# Altium PCB spd150.PcbDoc (part 2 of 15)
Units mil, origin at the board's own origin, x right, y up, seen from the top; angles counter-clockwise.
Board outline 8557 x 5807 mil, 10 copper layers (TOP, LYR2-PLN, LYR3-SIG, LYR4-SIG, LYR5-PLN, LYR6-PLN, LYR7-SIG, LYR8-SIG, LYR9-PLN, BOTTOM), stack 84 mil thick; 1065 components, 972 nets, 4226 pads, 2810 vias.
Unrouted connection lines stored in the file: 16.
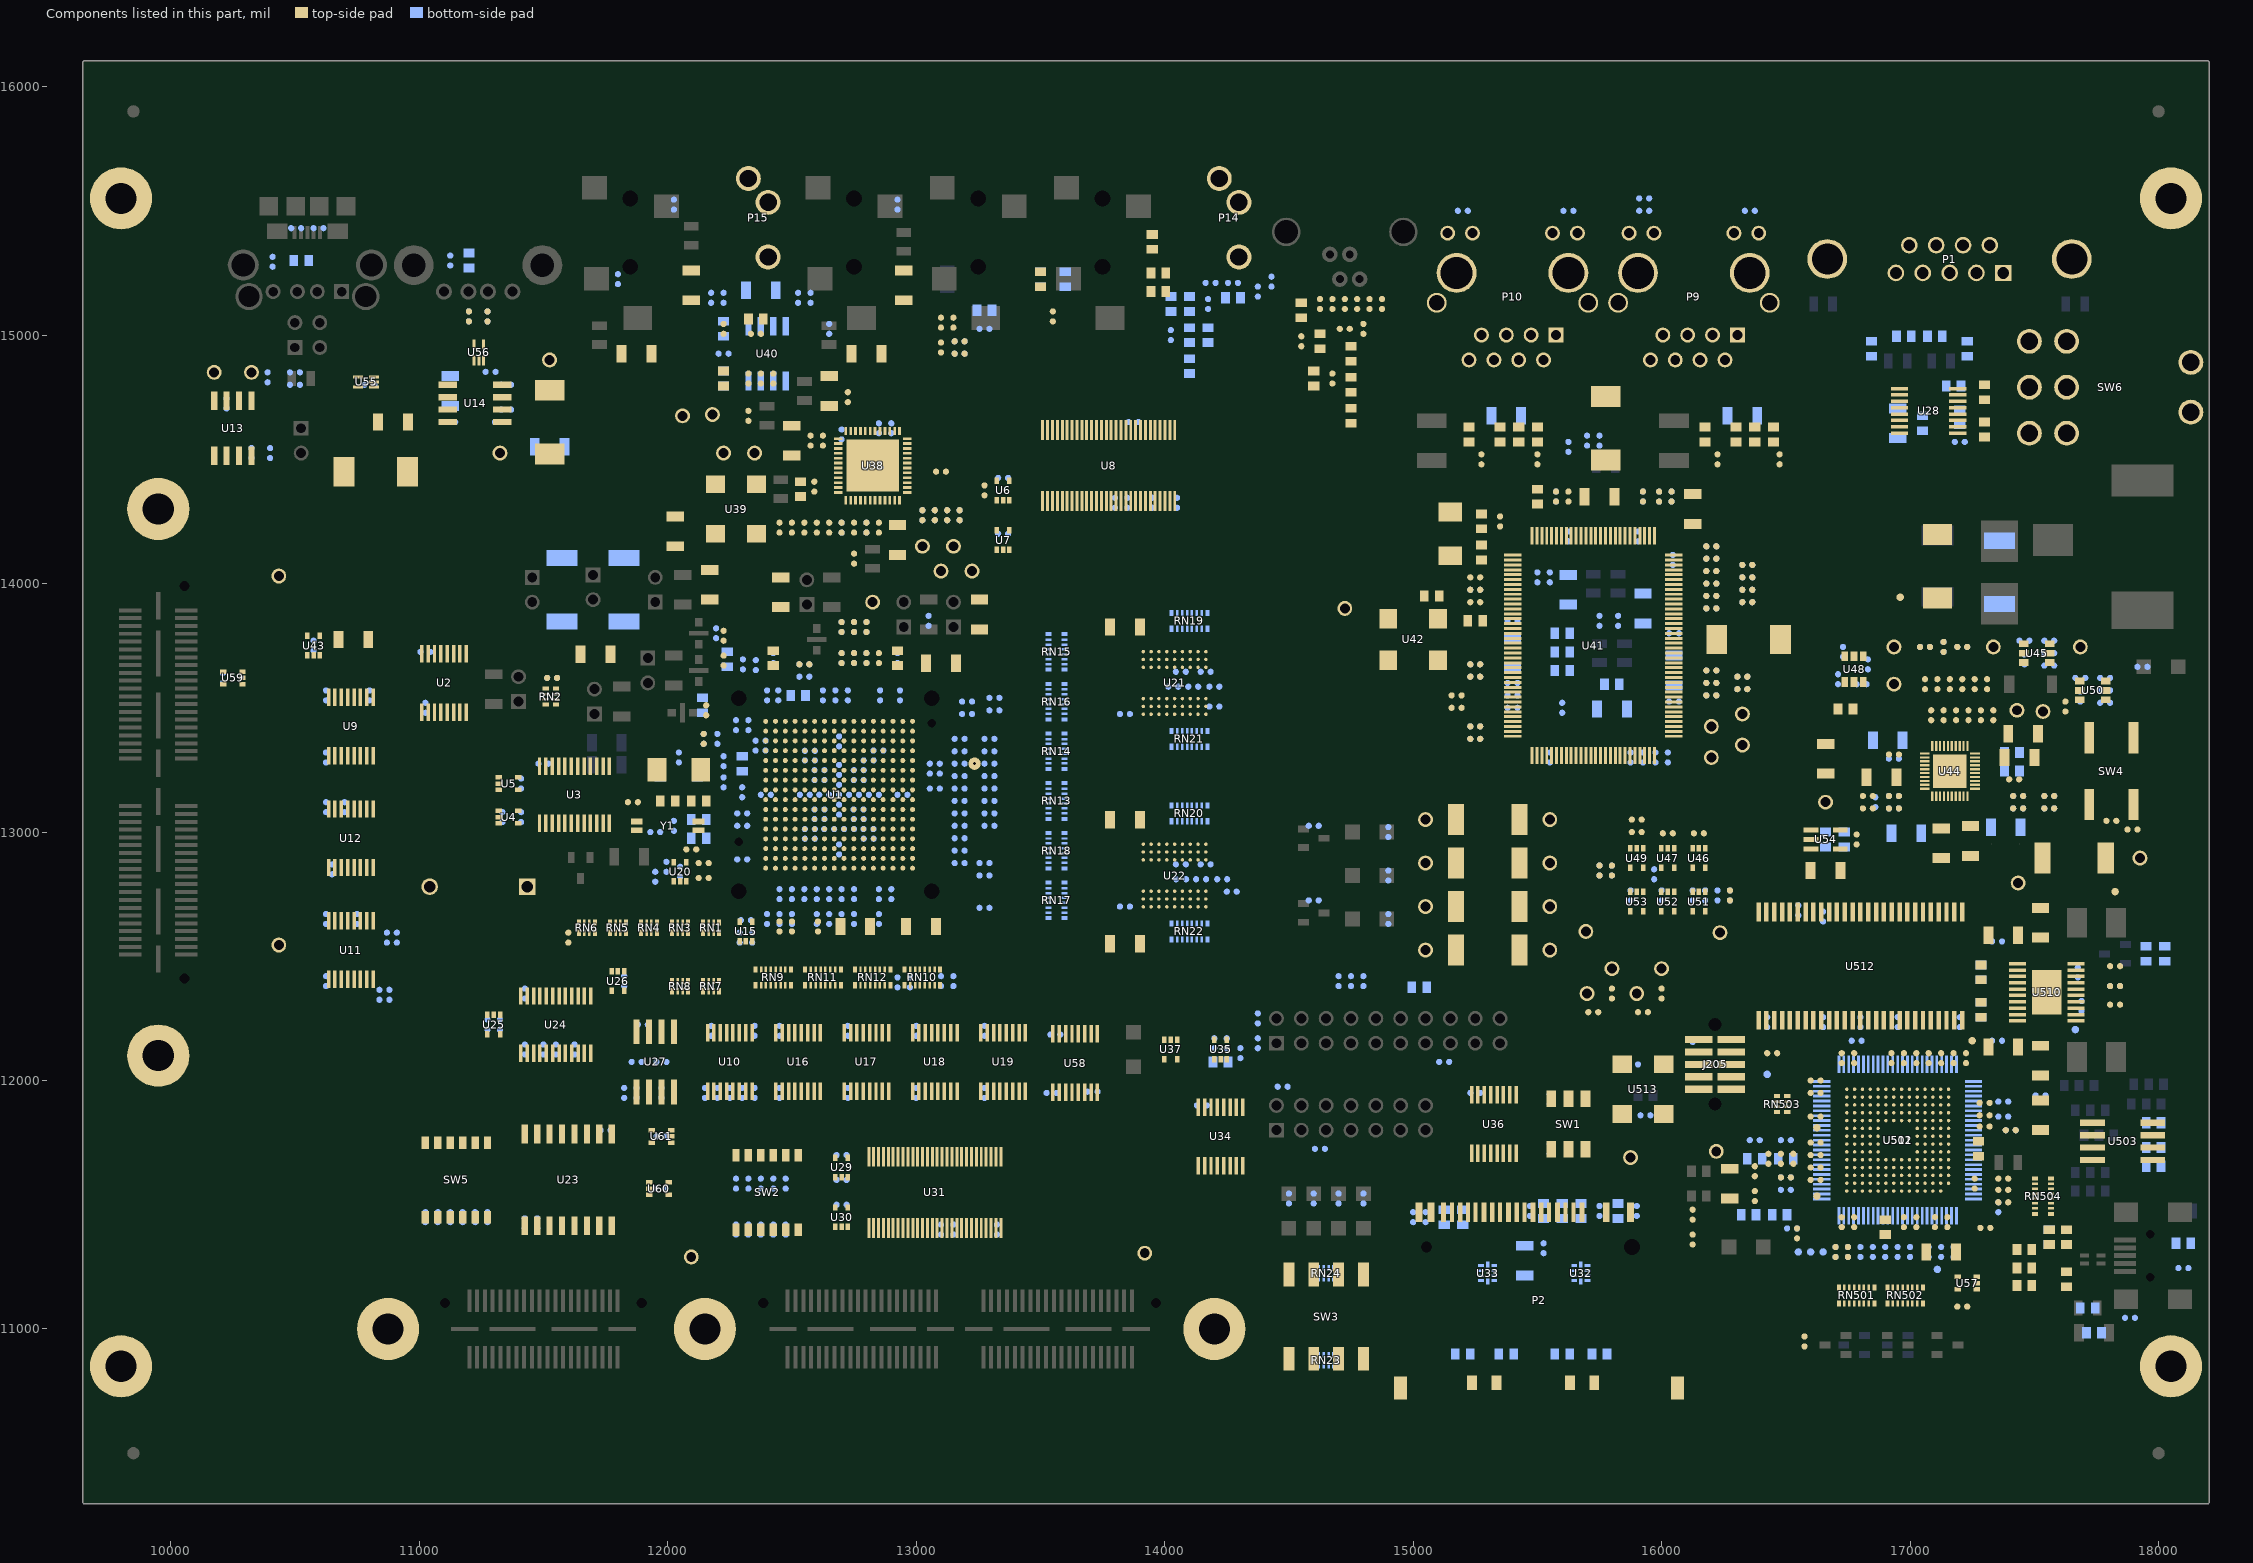
[diagram p10: the components of this part, seen from the top]

## Components (designator, comment, footprint, x,y, rotation, side; value= is the part's Value field where it differs from the comment) (continued)
R307 "RESISTOR_R603-35X45_49.9" R603-35X45#10 16175,14600 r90 top
R308 "RESISTOR_R603-35X45_49.9" R603-35X45#15 15425,14600 r270 top
R309 "RESISTOR_R603-35X45_49.9" R603-35X45#15 15500,14600 r270 top
R310 "RESISTOR_R603-35X45_49.9" R603-35X45#10 15350,14600 r90 top
R311 "RESISTOR_R603-35X45_49.9" R603-35X45#10 15225,14600 r90 top
R312 "R_2_R2512_0.025" R2512#2 15300,12700 r180 top
R313 "R_2_R2512_0.025" R2512#2 17660,12895 r0 top
R314 "R_0_R402-25_NO-POP" R402-25#1 16935,13312 r0 top
R315 "R_0_R402-25_1K" R402-25#2 16935,13295 r0 bottom
R316 "R_2_R2512_0.025" R2512#2 15300,12525 r180 top
R317 "R_0_R402-25_0" R402-25#1 16935,13145 r0 top
R318 "R_2_R2512_0.025" R2512#2 15300,12875 r0 top
R319 "R_0_R402-25_1K" R402-25#1 16935,13095 r0 top
R320 "R_0_R402-25_NO-POP" R402-25#1 16830,13145 r0 top
R321 "R_0_R402-25_NO-POP" R402-25#1 16830,13095 r0 top
R322 "R_0_R402-25_NO-POP" R402-25#67 16860,13120 r270 bottom
R323 "R_2_R2512_0.025" R2512#2 15300,13050 r0 top
R324 "R_0_R402-25_NO-POP" R402-25#2 16935,13095 r0 bottom
R325 "R_0_R402-25_10K" R402-25#68 17085,13470 r270 top
R326 "R_0_R402-25_10K" R402-25#69 17060,13595 r270 top
R327 "R_0_R402-25_2K" R402-25#69 17260,13595 r270 top
R328 "R_0_R402-25_47K" R402-25#69 17210,13595 r270 top
R329 "R_0_R402-25_10K" R402-25#69 17160,13595 r270 top
R330 "R_0_R402-25_NO-POP" R402-25#1 17335,13470 r90 top
R331 "R_0_R402-25_10K" R402-25#70 17560,13145 r180 top
R332 "R_0_R402-25_10K" R402-25#70 17560,13095 r180 top
R333 "R_R402-25_0" R402-25#1 15175,13550 r0 top
R334 "R_R402-25_NO-POP" R402-25#1 17625,13505 r90 top
R335 "R_R402-25_10K" R402-25#71 15900,13050 r180 top
R336 "R_0_R402-25_NO-POP" R402-25#72 17560,13145 r180 bottom
R337 "R_0_R402-25_NO-POP" R402-25#72 17560,13095 r180 bottom
R338 "R_0_R402-25_10K" R402-25#69 17310,13595 r270 top
R339 "R_0_R402-25_NO-POP" R402-25#73 17435,13095 r180 top
R340 "R_0_R402-25_NO-POP" R402-25#73 17435,13145 r180 top
R341 "R_0_R402-25_1K" R402-25#74 17435,13095 r180 bottom
R342 "R_0_R402-25_NO-POP" R402-25#1 17285,13470 r90 top
R343 "R_R402-25_0" R402-25#1 17419,13212 r0 top
R344 "R_0_R402-25_0" R402-25#74 17435,13145 r180 bottom
R345 "R_2_R402-25_33" R402-25#75 17810,13045 r180 top
R346 "R_2_R402-25_10K" R402-25#76 17460,13770 r180 bottom
R347 "R_R402-25_0" R402-25#72 17560,13770 r180 bottom
R348 "R_2_R402-25_10K 1%" R402-25#72 17560,13720 r180 bottom
R349 "R_2_R402-25_10K" R402-25#2 16830,13675 r90 bottom
R350 "R_R603-35X45_4.99K" R603-35X45#10 16740,13495 r0 top
R351 "R_2_R402-25_10K 1%" R402-25#2 16730,13725 r90 bottom
R352 "R_1_R402-25_33" R402-25#77 15800,12845 r270 top
R353 "R_2_R402-25_10K" R402-25#78 17685,13620 r180 bottom
R354 "R_1_R402-25_33" R402-25#2 15800,12845 r90 bottom
R355 "R_R402-25_20K" R402-25#79 17785,13620 r180 bottom
R356 "R_2_R402-25_10K 1%" R402-25#79 17785,13570 r180 bottom
R357 "R_1_R402-25_33" R402-25#77 15750,12845 r270 top
R358 "R_1_R402-25_33" R402-25#2 15750,12845 r90 bottom
R359 "R_R402-25_NO-POP" R402-25#80 17060,13745 r180 bottom
R360 "R_R402-25_NO-POP" R402-25#81 17210,13745 r180 top
R361 "R_R402-25_NO-POP" R402-25#82 17135,13745 r270 top
R362 "R_R402-25_NO-POP" R402-25#2 17210,13745 r0 bottom
R363 "R_2_R402-25_2.2K" R402-25#2 16225,12745 r90 bottom
R364 "R_R402-25_NO-POP" R402-25#2 17135,13745 r90 bottom
R365 "R_R402-25_NO-POP" R402-25#1 17060,13745 r0 top
R366 "R_2_R2512_NO-POP" R2512#1 17360,14045 r90 bottom
R367 "R_0_R402-25_360" R402-25#2 14900,13000 r90 bottom
R368 "R_R402-25_220" R402-25#2 17935,13665 r0 bottom
R369 "R_0_R402-25_1K" R402-25#2 14600,13025 r0 bottom
R370 "R_0_R402-25_360" R402-25#2 14900,12825 r90 bottom
R371 "R_0_R402-25_1K" R402-25#2 14600,12725 r0 bottom
R372 "R_R603-35X45_15K 1%" R603-35X45#3 16735,12970 r90 bottom
R373 "R_R603-35X45_220K 1%" R603-35X45#16 16660,12970 r270 bottom
R374 "R_R402-25_220" R402-25#7 14900,12650 r270 bottom
R375 "R_R402-25_24.9 1%" R402-25#1 11200,15075 r90 top
R376 "R_R402-25_100" R402-25#2 11025,11450 r90 bottom
R377 "R_R402-25_100" R402-25#2 11075,11450 r90 bottom
R378 "R_R402-25_100" R402-25#2 11125,11450 r90 bottom
R379 "R_R402-25_100" R402-25#2 11175,11450 r90 bottom
R380 "R_R402-25_0" R402-25#83 16000,12350 r270 top
R381 "R_R402-25_0" R402-25#1 15725,12275 r0 top
R382 "R_R402-25_0" R402-25#1 15925,12275 r0 top
R383 "R_R402-25_0" R402-25#83 15800,12350 r270 top
R384 "R_R402-25_2K" R402-25#10 13545,11950 r180 bottom
R385 "R_R402-25_100" R402-25#2 11225,11450 r90 bottom
R386 "R_R402-25_100" R402-25#2 11275,11450 r90 bottom
R387 "R_R402-25_10K" R402-25#84 17895,13010 r180 top
R388 "R_R402-25_0" R402-25#71 15900,13000 r180 top
R389 "R_R402-25_0" R402-25#1 15175,13500 r0 top
R390 "R_R402-25_0" R402-25#85 14430,15215 r270 bottom
R391 "R_R603-35X45_1M" R603-35X45#17 10525,15300 r180 bottom
R392 "R_R603-35X45_1M" R603-35X45#18 11200,15300 r270 bottom
R393 "R_R402-25_15K" R402-25#86 11200,15075 r270 bottom
R394 "R_R402-25_NO-POP" R402-25#2 12445,13550 r90 bottom
R395 "R_R402-25_NO-POP" R402-25#2 12400,13550 r90 bottom
R396 "R_R402-25_NO-POP" R402-25#87 11950,12820 r270 bottom
R504 "R_R603-35X45_24 1%" R603-35X45#19 17560,11370 r270 top
R508 "R_R603-35X45_24 1%" R603-35X45#10 17460,11245 r0 top
R511 "R_2_R402-25_220" R402-25#2 16500,11560 r0 bottom
R514 "R_R402-25_10K" R402-25#2 16125,12135 r90 bottom
R525 "R_R603-35X45_NO-POP" R603-35X45#3 16500,11685 r0 bottom
R527 "R_R603-35X45_33.2K 1%" R603-35X45#20 17285,12435 r270 top
R528 "R_R603-35X45_30.1K 1%" R603-35X45#21 17285,12435 r270 bottom
R534 "R_R603-35X45_300K" R603-35X45#22 17715,11085 r180 bottom
R535 "R_R603-35X45_680K" R603-35X45#3 17740,10985 r0 bottom
R536 "R_R603-35X45_1M" R603-35X45#23 17630,11200 r270 top
R537 "R_R603-35X45_1M" R603-35X45#10 17630,11370 r90 top
R538 "R_R603-35X45_1.5K 1%" R603-35X45#10 17460,11320 r0 top
R539 "R_R603-35X45_1M" R603-35X45#3 18100,11345 r0 bottom
R543 "R_R603-35X45_100" R603-35X45#24 16900,11410 r270 top
R545 "R_2_R402-25_100K" R402-25#1 16480,11685 r90 top
R548 "R_R603-35X45_9.09K 1%" R603-35X45#10 17285,12285 r90 top
R549 "R_R603-35X45_30.1K 1%" R603-35X45#3 17285,12285 r90 bottom
R550 "R_R402-25_100K" R402-25#2 17825,12380 r0 bottom
R551 "R_R402-25_100K" R402-25#88 17690,12300 r270 bottom
R552 "R_R402-25_2.2K" R402-25#89 16285,12165 r180 bottom
R553 "R_3_R402-25_10K" R402-25#2 17675,12435 r90 bottom
R554 "R_4_R603-35X45_1.5K 1%" R603-35X45#25 18025,12510 r270 bottom
R555 "R_4_R603-35X45_2.0K 1%" R603-35X45#3 17950,12510 r90 bottom
R557 "R_R402-25_100K" R402-25#90 17825,12380 r180 top
R590 "R_3_R402-25_10" R402-25#1 16375,11535 r90 top
R591 "R_R402-25_33" R402-25#27 17175,12090 r270 top
R592 "R_R402-25_33" R402-25#27 17125,12090 r270 top
R593 "R_R402-25_33" R402-25#27 17075,12090 r270 top
R594 "R_R402-25_33" R402-25#27 17225,12090 r270 top
R595 "R_R402-25_33" R402-25#1 17405,11800 r0 top
R597 "R_R402-25_100K" R402-25#2 16525,11405 r0 bottom
R598 "R_R402-25_100K" R402-25#91 16545,11385 r270 top
R599 "R_R402-25_10K" R402-25#2 16375,11760 r0 bottom
R600 "R_R402-25_100K" R402-25#92 16700,11310 r270 top
R601 "R_R402-25_100K" R402-25#2 16750,11310 r90 bottom
R602 "R_R402-25_100K" R402-25#2 17175,11310 r90 bottom
R603 "R_R402-25_10K" R402-25#2 17125,11310 r90 bottom
R604 "R_R402-25_33" R402-25#2 17000,11310 r90 bottom
R605 "R_R402-25_33" R402-25#2 16800,11310 r90 bottom
R606 "R_R402-25_33" R402-25#2 16850,11310 r90 bottom
R607 "R_R402-25_33" R402-25#2 16950,11310 r90 bottom
R608 "R_R402-25_33" R402-25#2 16900,11310 r90 bottom
R609 "R_R402-25_33" R402-25#2 16700,11310 r90 bottom
R610 "R_R402-25_33" R402-25#92 16750,11310 r270 top
R611 "R_2_R603-35X45_100" R603-35X45#3 16475,11460 r0 bottom
R612 "R_R402-25_10K" R402-25#2 17355,11490 r90 bottom
R613 "R_R402-25_10K" R402-25#93 16950,12235 r270 bottom
R614 "RESISTOR_1_R402-25_10K" R402-25#94 16785,12160 r180 bottom
R615 "RESISTOR_1_R402-25_10K" R402-25#2 17375,11915 r0 bottom
R616 "RESISTOR_1_R402-25_10K" R402-25#2 17375,11855 r0 bottom
R617 "R_R402-25_33" R402-25#2 15885,12065 r0 bottom
R618 "R_R603-35X45_100" R603-35X45#26 17275,11725 r270 top
R619 "R_R402-25_33" R402-25#95 16500,11610 r180 top
R620 "R_R402-25_33" R402-25#2 16500,11610 r0 bottom
R621 "R_R402-25_10K" R402-25#2 13295,13225 r0 bottom
R622 "R_R402-25_10K" R402-25#2 13295,13275 r0 bottom
R623 "R_R402-25_10K" R402-25#2 13295,13175 r0 bottom
R624 "R_R402-25_10K" R402-25#2 13295,13025 r0 bottom
R625 "R_R402-25_10K" R402-25#2 13315,13540 r0 bottom
R626 "R_R402-25_10K" R402-25#2 13295,13125 r0 bottom
R627 "R_R402-25_10K" R402-25#2 13295,13325 r0 bottom
R628 "R_R402-25_10K" R402-25#2 13295,13375 r0 bottom
R629 "R_R402-25_10K" R402-25#2 13315,13490 r0 bottom
R630 "R_R402-25_10K" R402-25#2 13295,13075 r0 bottom
RN1 "R-PAK4_0_RPAK8-10X25-28V_RPACK4" RPAK8-10X25-28V#1 12175.3,12615 r180 top
RN2 "R-PAK4_0_RPAK8-10X25-28V_RPACK4" RPAK8-10X25-28V#1 11530,13544.7 r90 top
RN3 "R-PAK4_0_RPAK8-10X25-28V_RPACK4" RPAK8-10X25-28V#1 12050.3,12615 r180 top
RN4 "R-PAK4_0_RPAK8-10X25-28V_RPACK4" RPAK8-10X25-28V#1 11925.3,12615 r180 top
RN5 "R-PAK4_0_RPAK8-10X25-28V_RPACK4" RPAK8-10X25-28V#1 11800.3,12615 r180 top
RN6 "R-PAK4_0_RPAK8-10X25-28V_RPACK4" RPAK8-10X25-28V#1 11675.3,12615 r180 top
RN7 "R-PAK4_0_RPAK8-10X25-28V_RPACK4" RPAK8-10X25-28V#1 12175.3,12380 r180 top
RN8 "R-PAK4_0_RPAK8-10X25-28V_RPACK4" RPAK8-10X25-28V#1 12050.3,12380 r180 top
RN9 "RESISTOR DIP 8_0_RPAK16-10X25-2" RPAK16-10X25-2HV#1 12422.5,12415 r180 top
RN10 "RESISTOR DIP 8_0_RPAK16-10X25-2" RPAK16-10X25-2HV#1 13027.5,12415 r0 top
RN11 "RESISTOR DIP 8_0_RPAK16-10X25-2" RPAK16-10X25-2HV#1 12622.5,12415 r180 top
RN12 "RESISTOR DIP 8_0_RPAK16-10X25-2" RPAK16-10X25-2HV#1 12827.5,12415 r0 top
RN13 "RESISTOR DIP 8_0_RPAK16-10X25_1" RPAK16-10X25-2HV#2 13565.1,13122.5 r90 bottom
RN14 "RESISTOR DIP 8_0_RPAK16-10X25-2" RPAK16-10X25-2HV#2 13565.1,13322.5 r90 bottom
RN15 "RESISTOR DIP 8_0_RPAK16-10X25_1" RPAK16-10X25-2HV#2 13565.1,13722.5 r90 bottom
RN16 "RESISTOR DIP 8_0_RPAK16-10X25-2" RPAK16-10X25-2HV#2 13565.1,13522.5 r90 bottom
RN17 "RESISTOR DIP 8_0_RPAK16-10X25_1" RPAK16-10X25-2HV#2 13565.1,12722.5 r90 bottom
RN18 "RESISTOR DIP 8_0_RPAK16-10X25_1" RPAK16-10X25-2HV#2 13565.1,12922.5 r90 bottom
RN19 "RESISTOR DIP 8_0_RPAK16-10X25_1" RPAK16-10X25-2HV#2 14097.5,13850 r0 bottom
RN20 "RESISTOR DIP 8_0_RPAK16-10X25_1" RPAK16-10X25-2HV#2 14097.5,13075 r0 bottom
RN21 "RESISTOR DIP 8_0_RPAK16-10X25_1" RPAK16-10X25-2HV#2 14102.5,13375 r180 bottom
RN22 "RESISTOR DIP 8_0_RPAK16-10X25_1" RPAK16-10X25-2HV#2 14102.5,12600 r180 bottom
RN23 "R-PAK4_RPAK8-10X25-28V_RPACK4-1" RPAK8-10X25-28V#2 14649.7,10875 r180 bottom
RN24 "R-PAK4_RPAK8-10X25-28V_RPACK4_1" RPAK8-10X25-28V#2 14650.3,11225 r0 bottom
RN501 "RN8_RPAK16-10X25-2HV_RN10K" RPAK16-10X25-2HV#1 16787.5,11135 r0 top
RN502 "RN8_RPAK16-10X25-2HV_RN10K" RPAK16-10X25-2HV#1 16982.5,11135 r0 top
RN503 "RESISTOR DIP 4_RPAK8-10X25-28V_" RPAK8-10X25-28V#1 16485,11905.3 r270 top
RN504 "RN8_RPAK16-10X25-2HV_10K" RPAK16-10X25-2HV#1 17535,11537.5 r90 top
SW1 "SW - DPDT 5.4X4.2 SLIDE CAS220A" SW6-40X67_GW 15625,11825 r0 top
SW2 "DIP_SWITCH_0_SW6-30X50-TDA_DIP_" SW6-30X50-TDA 12400,11550 r0 top
SW3 "SW DIP-4_0_SW4-44X96-CTS_LOW PR" SW4-44X96-CTS 14650,11050 r0 top
SW4 "EVQ-PLMA15_2_SW-40X126-EVQP1_PU" SW-40X126-EVQP1 17810,13245 r0 top
SW5 "DIP_SWITCH_0_SW6-30X50-TDA_DIP_" SW6-30X50-TDA 11150,11600 r0 top
SW6 "SWITCH_1_SW-7201-DPDT-10073_SWI" SW-7201-DPDT-10073 18062.5,14790 r270 top
TP1 "TEST POINT_1_TP1-6040_VBUS" TP1-6040 10175,14850 r0 top
TP2 "TEST POINT_1_TP1-6040_VBUS_OCN2" TP1-6040 10325,14850 r0 top
TP3 "TEST POINT_1_TP1-50X25_EMIFB_CL" TP1-50X25 13235,13275 r0 top
TP4 "TEST POINT_1_TP1-6040_VBUS" TP1-6040 11525,14900 r0 top
TP5 "TEST POINT_1_TP1-6040_VBUS_OCN1" TP1-6040 11325,14525 r0 top
TP6 "TEST POINT_TP1-6040_TEST POINT" TP1-6040 12825,13925 r0 top
TP7 "TEST POINT_TP1-6040_TEST POINT" TP1-6040 12350,14525 r0 top
TP8 "TEST POINT_TP1-6040_TEST POINT" TP1-6040 12225,14525 r0 top
TP9 "TEST POINT_TP1-6040_TEST POINT" TP1-6040 13025,14150 r0 top
TP10 "TEST POINT_TP1-6040_TEST POINT" TP1-6040 13100,14050 r0 top
TP11 "TEST POINT_TP1-6040_TEST POINT" TP1-6040 13150,14150 r0 top
TP12 "TEST POINT_TP1-6040_TEST POINT" TP1-6040 13225,14050 r0 top
TP13 "TEST POINT_TP1-6040_TEST POINT" TP1-6040 16200,13300 r0 top
TP14 "TEST POINT_TP1-6040_TEST POINT" TP1-6040 16325,13350 r0 top
TP15 "TEST POINT_TP1-6040_TEST POINT" TP1-6040 16200,13425 r0 top
TP16 "TEST POINT_TP1-6040_TEST POINT" TP1-6040 16325,13475 r0 top
TP17 "TEST POINT_0_TP1-6040_TP-60" TP1-6040 15550,12700 r0 top
TP18 "TEST POINT_0_TP1-6040_TP-60" TP1-6040 15050,12700 r0 top
TP19 "TEST POINT_0_TP1-6040_TP-60" TP1-6040 17435,12795 r0 top
TP20 "TEST POINT_0_TP1-6040_TP-60" TP1-6040 17925,12895 r0 top
TP21 "TEST POINT_0_TP1-6040_TP-60" TP1-6040 15550,12525 r0 top
TP22 "TEST POINT_0_TP1-6040_TP-60" TP1-6040 15050,12525 r0 top
TP23 "TEST POINT_0_TP1-6040_TP-60" TP1-6040 15050,12875 r90 top
TP24 "TEST POINT_0_TP1-6040_TP-60" TP1-6040 15550,12875 r90 top
TP25 "TEST POINT_0_TP1-6040_TP-60" TP1-6040 15050,13050 r0 top
TP26 "TEST POINT_0_TP1-6040_TP-60" TP1-6040 15550,13050 r0 top
TP27 "TEST POINT_0_TP1-6040_TP-60" TP1-6040 16935,13595 r0 top
TP28 "TEST POINT_0_TP1-6040_TP" TP1-6040 17430,13490 r0 top
TP29 "TEST POINT_0_TP1-6040_TP" TP1-6040 17535,13485 r0 top
TP30 "TESTPOINT1_TP1-6040_TESTPOINT1" TP1-6040 17335,13745 r270 top
TP31 "TESTPOINT1_TP1-6040_TESTPOINT1" TP1-6040 16935,13745 r180 top
TP32 "TESTPOINT1_TP1-6040_TESTPOINT1" TP1-6040 17685,13745 r270 top
TP33 "TEST POINT_0_TP30_TP-30" TP30 16960,13945 r0 top
TP34 "TEST POINT_1_TP1-6040_TP" TP1-6040 16660,13120 r270 top
TP35 "TEST POINT_TP1-6040_TP" TP1-6040 15800,12450 r0 top
TP36 "TEST POINT_TP1-6040_TP" TP1-6040 15900,12350 r0 top
TP37 "TEST POINT_TP1-6040_TP" TP1-6040 15700,12350 r0 top
TP38 "TEST POINT_TP1-6040_TP" TP1-6040 16000,12450 r0 top
TP39 "TEST POINT_TP1-6040_TEST POINT" TP1-6040 12060,14675 r0 top
TP40 "TEST POINT_TP1-6040_TEST POINT" TP1-6040 12180,14680 r0 top
TP41 "TEST POINT_TP1-6040_TP" TP1-6040 10435,14030 r0 top
TP42 "TEST POINT_TP1-6040_TP" TP1-6040 10435,12545 r0 top
TP43 "TEST POINT_TP1-6040_TP" TP1-6040 12095,11290 r0 top
TP44 "TEST POINT_TP1-6040_TP" TP1-6040 13920,11305 r0 top
TP45 "TEST POINT_TP1-6040_TP" TP1-6040 15875,11690 r0 top
TP46 "TEST POINT_TP1-6040_TP" TP1-6040 14725,13900 r0 top
TP47 "TP_0_TP1-6040_TP" TP1-6040 16235,12595 r0 top
TP48 "TP_0_TP1-6040_TP" TP1-6040 15695,12600 r0 top
TP507 "PIN_TP30_NO-POP" TP30 17110,11240 r180 bottom
TP508 "TP_0_TP30_NO-POP" TP30 17250,12160 r180 top
TP513 "TP_0_TP30_NO-POP" TP30 16425,12025 r270 bottom
TP514 "TP_0_TP30_NO-POP" TP30 16625,11810 r180 top
TP515 "TP_0_TP30_NO-POP" TP30 17825,12760 r180 top
TP516 "TP_0_TP30_NO-POP" TP30 17665,12205 r270 bottom
TP517 "PIN_TP1-6040_TEST" TP1-6040 16220,11715 r180 top
TP518 "PIN_TP30_NO-POP" TP30 16600,11310 r180 bottom
TP519 "PIN_TP30_NO-POP" TP30 16650,11310 r180 bottom
TP520 "PIN_TP30_NO-POP" TP30 16625,11535 r180 top
TP521 "PIN_TP30_NO-POP" TP30 16550,11310 r270 bottom
U1 "PRIMUS_BGA_1_SKT256-6064_OMAPL1" SKT256-6064 12675,13150 r0 top
U2 "SN74CBT3257PW_TSSOP16-14X70_SN7" TSSOP16-14X70 11100,13600 r0 top
U3 "SN74CBTD3384PW_PW24-14X70_SN74C" PW24-14X70 11625,13150 r0 top
U4 "1G32NEG_DCK-5_SN74LVC1G32DCKRG4" DCK-5 11360,13060 r270 top
U5 "1G00_0_DCK-5_SN74LVC1G00DCKRG4" DCK-5 11360,13195 r270 top
U6 "1G08_DCK-5_SN74LVC1G08DCKRG4" DCK-5 13350,14375 r0 top
U7 "1G02_0_DCK-5_SN74LVC1G02DCKR" DCK-5 13350,14175 r0 top
U8 "SN74CBT16212DGGR_DGG56-12X80_SN" DGG56-12X80 13775,14475 r0 top
U9 "SN74CBT3257PW_TSSOP16-14X70_SN7" TSSOP16-14X70 10725,13425 r0 top
U10 "SN74CBT3257PW_TSSOP16-14X70_SN7" TSSOP16-14X70 12250,12075 r0 top
U11 "SN74CBT3257PW_TSSOP16-14X70_SN7" TSSOP16-14X70 10725,12525 r0 top
U12 "74CBTLV253_0_TSSOP16-14X70_74CB" TSSOP16-14X70 10725,12975 r0 top
U13 "TPS2061_1_SO8-25X75_TPS2065D" SO8-25X75#1 10250,14625 r0 top
U14 "TPS2061_1_SO8-25X75_TPS2065D" SO8-25X75#1 11225,14725 r270 top
U15 "SN74LVC1G125_DCK-5_SN74CBTLV1G1" DCK-5 12315,12600 r0 top
U16 "SN74CBT3257PW_TSSOP16-14X70_SN7" TSSOP16-14X70 12525,12075 r0 top
U17 "SN74CBT3257PW_TSSOP16-14X70_SN7" TSSOP16-14X70 12800,12075 r0 top
U18 "SN74CBT3257PW_TSSOP16-14X70_SN7" TSSOP16-14X70 13075,12075 r0 top
U19 "74CBTLV253_0_TSSOP16-14X70_74CB" TSSOP16-14X70 13350,12075 r0 top
U20 "1G032_DCK-5_SN74LVC1G32" DCK-5 12050,12840 r0 top
U21 "IS42S16160B-6BL_0_BGA54-3X9-ISS" BGA54-3X9-ISSI 14040.1,13600 r270 top
U22 "IS42S16160B-6BL_0_BGA54-3X9-ISS" BGA54-3X9-ISSI 14040.1,12825 r270 top
U23 "SPI_EEPROM_0_SO16-25X75-300_W25" SO16-25X75-300 11600,11600 r0 top
U24 "SN74CBTD3384PW_PW24-14X70_SN74C" PW24-14X70 11550,12225 r0 top
U25 "1G32NEG_DCK-5_SN74LVC1G32DCKRG4" DCK-5 11300,12225 r180 top
U26 "1G00_0_DCK-5_SN74LVC1G00DCKRG4" DCK-5 11800,12400 r180 top
U27 "24WC256_SO8-25X75-295_24WC256" SO8-25X75-295 11950,12075 r0 top
U28 "MAX3221_0_PW16-14X70_MAX3221CPW" PW16-14X70 17075,14695 r90 top
U29 "1G08_DCK-5_1G08" DCK-5 12700,11650 r0 top
U30 "1G02_0_DCK-5_1G02" DCK-5 12700,11450 r0 top
U31 "SN74CBT16212DGGR_DGG56-12X80_SN" DGG56-12X80 13075,11550 r0 top
U32 "TPDE0001RSE_RSE10_TPD6E001RSE" RSE10 15674.5,11225.5 r90 bottom
U33 "TPDE0001RSE_RSE10_TPD6E001RSE" RSE10 15299.5,11225.5 r90 bottom
U34 "SN74CBT3257_0_TSSOP16-14X70_SN7" TSSOP16-14X70 14225,11775 r0 top
U35 "1G032_0_DCK-5_SN74LVC1G32" DCK-5 14225,12125 r0 top
U36 "SN74CBT3257_0_TSSOP16-14X70_SN7" TSSOP16-14X70 15325,11825 r0 top
U37 "SN74LVC1GU04_0_DCK-5_SN74AHC1G1" DCK-5 14025,12125 r180 top
U38 "TLV320AIC3106_0_RGZ48-11X34_TVL" RGZ48-11X34 12825,14475 r90 top
U39 "OSC4/SM_0_XTAL4-70X78-CTX_24.57" XTAL4-70X78-CTX 12275,14300 r270 top
U40 "TPA4861D_SO8-25X75_TPA4861D" SO8-25X75#2 12400,14925 r0 bottom
U41 "KS8995_MULTI_0_PQFP128REC-12X70" PQFP128REC-12X70 15725,13747.5 r90 top
U42 "OSC_0_OSC4-71X79_50.000 MHZ" OSC4-71X79 15000,13775 r0 top
U43 "SN74LVC1G125_DCK-5_SN74CBTLV1G1" DCK-5 10575,13750 r0 top
U44 "TPS65023_0_RSB40-9X39_TPS65023" RSB40-9X39 17160,13245 r0 top
U45 "TPS3808G09DBVR_0_DBV6-27X39-6_T" DBV6-27X39-6#1 17510,13720 r270 top
U46 "1G08_DCK-5_1G08" DCK-5 16150,12895 r180 top
U47 "1G08_DCK-5_1G08" DCK-5 16025,12895 r180 top
U48 "TPS3808G09DBVR_0_DBV6-27X39-6_T" DBV6-27X39-6#2 16774.6,13655.6 r180 top
U49 "1G08_DCK-5_1G08" DCK-5 15900,12895 r180 top
U50 "TPS3808G09DBVR_0_DBV6-27X39-6_T" DBV6-27X39-6#3 17735,13570 r270 top
U51 "SN74LVC1GU04_1_DCK-5_SN74AHC14D" DCK-5 16150,12720 r180 top
U52 "SN74LVC1GU04_1_DCK-5_SN74AHC14D" DCK-5 16025,12720 r180 top
U53 "SN74LVC1GU04_1_DCK-5_SN74AHC14D" DCK-5 15900,12720 r180 top
U54 "U-TPS79901 - 1.19 TO 6.5V 200MA" SOT23-20X60-5 16660,12970 r270 top
U55 "TPDE0001RSE_0_DRL5-12X40_TPD2E0" DRL5-12X40 10786.4,14811.6 r90 top
U56 "TPDE0001RSE_0_DRL5-12X40_TPD2E0" DRL5-12X40 11240,14930 r0 top
U57 "SN74LVC1GU04_0_DCK-5_SN74LVC1G0" DCK-5 17230,11185 r90 top
U58 "SN74CBT3257PW_TSSOP16-14X70_SN7" TSSOP16-14X70 13640,12070 r0 top
U59 "SN74LVC1G125_DCK-5_74CBTLV1G125" DCK-5 10250,13620 r90 top
U60 "SN74LVC1G125_DCK-5_SN74LVC1G125" DCK-5 11965,11565 r270 top
U61 "1G08_DCK-5_1G08" DCK-5 11975,11775 r90 top
U502 "TMS320VC5409GHH_2_BGA179-13P8RD" BGA179-13P8RD 16950,11760 r180 top
U503 "24WC256_0_SO8-25X75-295_24WC256" SO8-25X75-295 17855,11755 r90 top
U510 "TPS70202PWP_0_PWP20-14X70-PAD_T" PWP20-14X70-PAD 17550,12354.5 r90 top
U511 "ACT54SXVQ100_0_TQFP-100_506173-" TQFP-100 16950,11760 r180 bottom
U512 "MT48LC1M16A1TGS_0_TSOP54-MICRON" TSOP54-MICRON-18X75 16800,12460 r0 top
U513 "CLK-4PIN_0_OSC4-71X79_24 MHZ" OSC4-71X79 15925,11965 r90 top
Y1 "CRYSTAL_0_XTAL4-23X47-SSP-T7_32" XTAL4-23X47-SSP-T7 12000,13025 r180 top
Y2 "CRYSTAL_0_XTAL2-75X94_24MHZ" XTAL2-75X94 12045,13250 r180 top
Y3 "CRYSTAL_0_XTAL2-75X94_NO-POP" XTAL2-75X94 15150,14200 r270 top
Z1 "TESTPOINT1_MHP125-250_TESTPOINT" MHP125-250 9950,12100 r0 top
Z2 "TESTPOINT1_MHP125-250_MNTHOLE" MHP125-250 14200,11000 r0 top
Z3 "TESTPOINT1_MHP125-250_MNTHOLE" MHP125-250 10875,11000 r0 top
Z4 "TESTPOINT1_MHP125-250_MNTHOLE" MHP125-250 9800,10850 r0 top
Z5 "TESTPOINT1_MHP125-250_MNTHOLE" MHP125-250 18050,10850 r0 top
Z7 "TESTPOINT1_MHP125-250_TESTPOINT" MHP125-250 9950,14300 r0 top
Z8 "TESTPOINT1_MHP125-250_MNTHOLE" MHP125-250 9800,15550 r0 top
Z9 "TESTPOINT1_MHP125-250_MNTHOLE" MHP125-250 18050,15550 r0 top
Z10 "TESTPOINT1_MHP125-250_MNTHOLE" MHP125-250 12150,11000 r0 top


## Text inside footprints (layer, text, board x,y; h text height)
U21: PIN_NUMBER "E2" at 14024.1,13694.5 h20 r270; PIN_NUMBER "A3" at 14150.1,13663 h20 r270; PIN_NUMBER "A1" at 14150.1,13726 h20 r270; PIN_NUMBER "E3" at 14024.1,13663 h20 r270; PIN_NUMBER "J1" at 13898.1,13726 h20 r270; PIN_NUMBER "B7" at 14118.6,13537 h20 r270; PIN_NUMBER "C3" at 14087.1,13663 h20 r270; PIN_NUMBER "D7" at 14055.6,13537 h20 r270; PIN_NUMBER "A8" at 14150.1,13505.5 h20 r270; PIN_NUMBER "B9" at 14118.6,13474 h20 r270; PIN_NUMBER "B8" at 14118.6,13505.5 h20 r270; PIN_NUMBER "C9" at 14087.1,13474 h20 r270; PIN_NUMBER "C8" at 14087.1,13505.5 h20 r270; PIN_NUMBER "D2" at 14055.6,13694.5 h20 r270; PIN_NUMBER "B1" at 14118.6,13726 h20 r270; PIN_NUMBER "A2" at 14150.1,13694.5 h20 r270; PIN_NUMBER "D9" at 14055.6,13474 h20 r270; PIN_NUMBER "E9" at 14024.1,13474 h20 r270; PIN_NUMBER "E1" at 14024.1,13726 h20 r270; PIN_NUMBER "D1" at 14055.6,13726 h20 r270; PIN_NUMBER "C2" at 14087.1,13694.5 h20 r270; PIN_NUMBER "C1" at 14087.1,13726 h20 r270; PIN_NUMBER "B2" at 14118.6,13694.5 h20 r270; PIN_NUMBER "D8" at 14055.6,13505.5 h20 r270; PIN_NUMBER "F7" at 13992.6,13537 h20 r270; PIN_NUMBER "G1" at 13961.1,13726 h20 r270; PIN_NUMBER "J2" at 13898.1,13694.5 h20 r270; PIN_NUMBER "J3" at 13898.1,13663 h20 r270; PIN_NUMBER "J7" at 13898.1,13537 h20 r270; PIN_NUMBER "F3" at 13992.6,13663 h20 r270; PIN_NUMBER "E8" at 14024.1,13505.5 h20 r270; PIN_NUMBER "J8" at 13898.1,13505.5 h20 r270; PIN_NUMBER "H7" at 13929.6,13537 h20 r270; PIN_NUMBER "H8" at 13929.6,13505.5 h20 r270; PIN_NUMBER "G9" at 13961.1,13474 h20 r270; PIN_NUMBER "G8" at 13961.1,13505.5 h20 r270; PIN_NUMBER "F9" at 13992.6,13474 h20 r270; PIN_NUMBER "F8" at 13992.6,13505.5 h20 r270; PIN_NUMBER "G7" at 13961.1,13537 h20 r270; PIN_NUMBER "F2" at 13992.6,13694.5 h20 r270; PIN_NUMBER "G2" at 13961.1,13694.5 h20 r270; PIN_NUMBER "H9" at 13929.6,13474 h20 r270; PIN_NUMBER "F1" at 13992.6,13726 h20 r270; PIN_NUMBER "G3" at 13961.1,13663 h20 r270; PIN_NUMBER "H1" at 13929.6,13726 h20 r270; PIN_NUMBER "H2" at 13929.6,13694.5 h20 r270; PIN_NUMBER "H3" at 13929.6,13663 h20 r270; PIN_NUMBER "A7" at 14150.1,13537 h20 r270; PIN_NUMBER "B3" at 14118.6,13663 h20 r270; PIN_NUMBER "D3" at 14055.6,13663 h20 r270; PIN_NUMBER "E7" at 14024.1,13537 h20 r270; PIN_NUMBER "C7" at 14087.1,13537 h20 r270; PIN_NUMBER "A9" at 14150.1,13474 h20 r270; PIN_NUMBER "J9" at 13898.1,13474 h20 r270
U22: PIN_NUMBER "E2" at 14024.1,12919.5 h20 r270; PIN_NUMBER "A1" at 14150.1,12951 h20 r270; PIN_NUMBER "J1" at 13898.1,12951 h20 r270; PIN_NUMBER "A3" at 14150.1,12888 h20 r270; PIN_NUMBER "B7" at 14118.6,12762 h20 r270; PIN_NUMBER "E3" at 14024.1,12888 h20 r270; PIN_NUMBER "C3" at 14087.1,12888 h20 r270; PIN_NUMBER "D7" at 14055.6,12762 h20 r270; PIN_NUMBER "E1" at 14024.1,12951 h20 r270; PIN_NUMBER "D1" at 14055.6,12951 h20 r270; PIN_NUMBER "C2" at 14087.1,12919.5 h20 r270; PIN_NUMBER "C1" at 14087.1,12951 h20 r270; PIN_NUMBER "B2" at 14118.6,12919.5 h20 r270; PIN_NUMBER "B1" at 14118.6,12951 h20 r270; PIN_NUMBER "A2" at 14150.1,12919.5 h20 r270; PIN_NUMBER "D2" at 14055.6,12919.5 h20 r270; PIN_NUMBER "C9" at 14087.1,12699 h20 r270; PIN_NUMBER "B9" at 14118.6,12699 h20 r270; PIN_NUMBER "A8" at 14150.1,12730.5 h20 r270; PIN_NUMBER "B8" at 14118.6,12730.5 h20 r270; PIN_NUMBER "E9" at 14024.1,12699 h20 r270; PIN_NUMBER "D9" at 14055.6,12699 h20 r270; PIN_NUMBER "D8" at 14055.6,12730.5 h20 r270; PIN_NUMBER "C8" at 14087.1,12730.5 h20 r270; PIN_NUMBER "F7" at 13992.6,12762 h20 r270; PIN_NUMBER "G1" at 13961.1,12951 h20 r270; PIN_NUMBER "E8" at 14024.1,12730.5 h20 r270; PIN_NUMBER "F1" at 13992.6,12951 h20 r270; PIN_NUMBER "J2" at 13898.1,12919.5 h20 r270; PIN_NUMBER "J3" at 13898.1,12888 h20 r270; PIN_NUMBER "J7" at 13898.1,12762 h20 r270; PIN_NUMBER "F3" at 13992.6,12888 h20 r270; PIN_NUMBER "J8" at 13898.1,12730.5 h20 r270; PIN_NUMBER "H7" at 13929.6,12762 h20 r270; PIN_NUMBER "H8" at 13929.6,12730.5 h20 r270; PIN_NUMBER "G9" at 13961.1,12699 h20 r270; PIN_NUMBER "G8" at 13961.1,12730.5 h20 r270; PIN_NUMBER "F9" at 13992.6,12699 h20 r270; PIN_NUMBER "F8" at 13992.6,12730.5 h20 r270; PIN_NUMBER "G7" at 13961.1,12762 h20 r270; PIN_NUMBER "F2" at 13992.6,12919.5 h20 r270; PIN_NUMBER "G2" at 13961.1,12919.5 h20 r270; PIN_NUMBER "H9" at 13929.6,12699 h20 r270; PIN_NUMBER "G3" at 13961.1,12888 h20 r270; PIN_NUMBER "H1" at 13929.6,12951 h20 r270; PIN_NUMBER "H2" at 13929.6,12919.5 h20 r270; PIN_NUMBER "H3" at 13929.6,12888 h20 r270; PIN_NUMBER "B3" at 14118.6,12888 h20 r270; PIN_NUMBER "A7" at 14150.1,12762 h20 r270; PIN_NUMBER "A9" at 14150.1,12699 h20 r270; PIN_NUMBER "J9" at 13898.1,12699 h20 r270; PIN_NUMBER "E7" at 14024.1,12762 h20 r270; PIN_NUMBER "C7" at 14087.1,12762 h20 r270; PIN_NUMBER "D3" at 14055.6,12888 h20 r270
U23: PIN_NUMBER "11" at 11669,11785 h20 r90; PIN_NUMBER "12" at 11619,11785 h20 r90; PIN_NUMBER "13" at 11569,11785 h20 r90; PIN_NUMBER "14" at 11519,11785 h20 r90; PIN_NUMBER "3" at 11517,11415 h20; PIN_NUMBER "4" at 11567,11415 h20; PIN_NUMBER "5" at 11617,11415 h20; PIN_NUMBER "6" at 11667,11415 h20; PIN_NUMBER "10" at 11719,11785 h20 r90; PIN_NUMBER "7" at 11717,11415 h20; PIN_NUMBER "15" at 11469,11785 h20 r90; PIN_NUMBER "8" at 11767,11415 h20; PIN_NUMBER "16" at 11419,11785 h20 r90; PIN_NUMBER "9" at 11767,11785 h20; PIN_NUMBER "1" at 11417,11415 h20; PIN_NUMBER "2" at 11467,11415 h20; ASSEMBLY_TOP "X" at 11555,11560 h35; ASSEMBLY_TOP "X" at 11515,11560 h35; ASSEMBLY_TOP "W25X32VSFIG" at 11475,11560 h35
U24: PIN_NUMBER "10" at 11631.6,12110 h10; PIN_NUMBER "12" at 11682.8,12110 h10; PIN_NUMBER "9" at 11610,12110 h10; PIN_NUMBER "15" at 11631.6,12340 h10; PIN_NUMBER "16" at 11606,12340 h10; PIN_NUMBER "6" at 11533.2,12110 h10; PIN_NUMBER "5" at 11507.6,12110 h10; PIN_NUMBER "2" at 11430.8,12110 h10; PIN_NUMBER "20" at 11503.6,12340 h10; PIN_NUMBER "23" at 11426.8,12340 h10; PIN_NUMBER "19" at 11529.2,12340 h10; PIN_NUMBER "13" at 11682.8,12340 h10; PIN_NUMBER "11" at 11657.2,12110 h10; PIN_NUMBER "14" at 11657.2,12340 h10; PIN_NUMBER "3" at 11456.4,12110 h10; PIN_NUMBER "22" at 11452.4,12340 h10; PIN_NUMBER "4" at 11482,12110 h10; PIN_NUMBER "21" at 11478,12340 h10; PIN_NUMBER "7" at 11558.8,12110 h10; PIN_NUMBER "18" at 11554.8,12340 h10; PIN_NUMBER "8" at 11584.4,12110 h10; PIN_NUMBER "17" at 11580.4,12340 h10; PIN_NUMBER "24" at 11401.2,12340 h10; PIN_NUMBER "1" at 11405.2,12110 h10; ASSEMBLY_TOP "SN74CBTLV3384PW" at 11515.8,12105 h40; ASSEMBLY_TOP "X" at 11540.8,12105 h40; ASSEMBLY_TOP "X" at 11562.8,12110 h40
U25: PIN_NUMBER "3" at 11258.4,12264 h40 r180; PIN_NUMBER "2" at 11284,12264 h40 r180; PIN_NUMBER "5" at 11309.6,12186 h40 r180; PIN_NUMBER "1" at 11309.6,12264 h40 r180; PIN_NUMBER "4" at 11258.4,12186 h40 r180; ASSEMBLY_TOP "PART#" at 11416.1,12345.9 h40.2 r180; ASSEMBLY_TOP "TOL" at 11355.9,12139.2 h40.2 r180; ASSEMBLY_TOP "SN74LVC1G32DCKRG4" at 11401.2,12184.1 h40.2 r180; SYMB_DIM "0" at 11215,12240 h29.9 r180; SYMB_DIM "0" at 11315,12115.2 h29.9 r180
U26: PIN_NUMBER "3" at 11758.4,12439 h40 r180; PIN_NUMBER "2" at 11784,12439 h40 r180; PIN_NUMBER "1" at 11809.6,12439 h40 r180; PIN_NUMBER "4" at 11758.4,12361 h40 r180; PIN_NUMBER "5" at 11809.6,12361 h40 r180; ASSEMBLY_TOP "PART#" at 11916.1,12520.9 h40.2 r180; ASSEMBLY_TOP "TOL" at 11855.9,12314.2 h40.2 r180; ASSEMBLY_TOP "SN74LVC1G00DCKRG4" at 11901.2,12359.1 h40.2 r180; SYMB_DIM "0" at 11715,12415 h29.9 r180; SYMB_DIM "0" at 11815,12290.2 h29.9 r180
U27: PIN_NUMBER "4" at 12009,11953.5 h40; PIN_NUMBER "7" at 11909,12196.5 h40; PIN_NUMBER "3" at 11959,11953.5 h40; PIN_NUMBER "2" at 11909,11953.5 h40; PIN_NUMBER "1" at 11859,11953.5 h40; PIN_NUMBER "5" at 12009,12196.5 h40; PIN_NUMBER "6" at 11959,12196.5 h40; PIN_NUMBER "8" at 11859,12196.5 h40; ASSEMBLY_TOP "24WC256" at 11825,12035 h40; ASSEMBLY_TOP "X" at 11865,12035 h40; ASSEMBLY_TOP "X" at 11905,12035 h40
U28: PIN_NUMBER "10" at 16941.4,14759 h20 r180; PIN_NUMBER "14" at 16941.4,14656.6 h20 r180; PIN_NUMBER "13" at 16941.4,14682.2 h20 r180; PIN_NUMBER "4" at 17184.6,14682.2 h20 r90; PIN_NUMBER "2" at 17184.6,14631 h20 r90; PIN_NUMBER "6" at 17184.6,14733.4 h20 r90; PIN_NUMBER "8" at 17184.6,14784.6 h20 r90; PIN_NUMBER "16" at 16941.4,14605.4 h20 r180; PIN_NUMBER "1" at 17184.6,14605.4 h20 r90; PIN_NUMBER "5" at 17184.6,14707.8 h20 r90; PIN_NUMBER "3" at 17184.6,14656.6 h20 r90; PIN_NUMBER "7" at 17184.6,14759 h20 r90; PIN_NUMBER "12" at 16941.4,14707.8 h20 r180; PIN_NUMBER "11" at 16941.4,14733.4 h20 r180; PIN_NUMBER "9" at 16949.4,14784.6 h20 r180; PIN_NUMBER "15" at 16941.4,14631 h20 r180; ASSEMBLY_TOP "X" at 17055,14732 h40 r90; ASSEMBLY_TOP "X" at 17055,14697 h40 r90; ASSEMBLY_TOP "MAX3221CPWRG4" at 17055,14662 h40 r90
U29: PIN_NUMBER "3" at 12709.6,11611 h40; PIN_NUMBER "1" at 12658.4,11611 h40; PIN_NUMBER "5" at 12658.4,11689 h40; PIN_NUMBER "4" at 12709.6,11689 h40; PIN_NUMBER "2" at 12684,11611 h40; ASSEMBLY_TOP "PART#" at 12583.9,11529.1 h40.2; ASSEMBLY_TOP "TOL" at 12644.1,11735.8 h40.2; ASSEMBLY_TOP "1G08" at 12598.8,11690.9 h40.2; SYMB_DIM "0" at 12785,11635 h29.9; SYMB_DIM "0" at 12685,11759.8 h29.9
U30: PIN_NUMBER "3" at 12709.6,11411 h40; PIN_NUMBER "5" at 12658.4,11489 h40; PIN_NUMBER "2" at 12684,11411 h40; PIN_NUMBER "1" at 12658.4,11411 h40; PIN_NUMBER "4" at 12709.6,11489 h40; ASSEMBLY_TOP "PART#" at 12583.9,11329.1 h40.2; ASSEMBLY_TOP "TOL" at 12644.1,11535.8 h40.2; ASSEMBLY_TOP "1g02" at 12598.8,11490.9 h40.2; SYMB_DIM "0" at 12785,11435 h29.9; SYMB_DIM "0" at 12685,11559.8 h29.9
U31: PIN_NUMBER "51" at 12900.7,11695 h15 r90; PIN_NUMBER "19" at 13158.6,11409 h15 r90; PIN_NUMBER "38" at 13156.6,11695 h15 r90; PIN_NUMBER "49" at 12940.1,11695 h15 r90; PIN_NUMBER "55" at 12822,11695 h15 r90; PIN_NUMBER "8" at 12948.1,11409 h15 r90; PIN_NUMBER "37" at 13176.2,11695 h15 r90; PIN_NUMBER "53" at 12861.4,11695 h15 r90; PIN_NUMBER "36" at 13195.9,11695 h15 r90; PIN_NUMBER "34" at 13235.3,11695 h15 r90; PIN_NUMBER "39" at 13136.9,11695 h15 r90; PIN_NUMBER "9" at 12967.8,11409 h15 r90; PIN_NUMBER "41" at 13097.5,11695 h15 r90; PIN_NUMBER "43" at 13058.2,11695 h15 r90; PIN_NUMBER "4" at 12869.4,11409 h15 r90; PIN_NUMBER "45" at 13018.8,11695 h15 r90; PIN_NUMBER "52" at 12881,11695 h15 r90; PIN_NUMBER "54" at 12841.7,11695 h15 r90; PIN_NUMBER "18" at 13138.9,11409 h15 r90; PIN_NUMBER "23" at 13237.3,11409 h15 r90; PIN_NUMBER "2" at 12830,11409 h15 r90; PIN_NUMBER "21" at 13197.9,11409 h15 r90; PIN_NUMBER "27" at 13316,11409 h15 r90; PIN_NUMBER "15" at 13079.8,11409 h15 r90; PIN_NUMBER "6" at 12908.7,11409 h15 r90; PIN_NUMBER "13" at 13040.5,11409 h15 r90; PIN_NUMBER "11" at 13001.1,11409 h15 r90; PIN_NUMBER "25" at 13276.6,11409 h15 r90; PIN_NUMBER "31" at 13294.3,11695 h15 r90; PIN_NUMBER "29" at 13335,11696 h15 r90; PIN_NUMBER "17" at 13119.2,11409 h15 r90; PIN_NUMBER "30" at 13314,11695 h15 r90; PIN_NUMBER "32" at 13274.6,11695 h15 r90; PIN_NUMBER "47" at 12979.4,11695 h15 r90; PIN_NUMBER "50" at 12920.4,11695 h15 r90; PIN_NUMBER "33" at 13255,11695 h15 r90; PIN_NUMBER "56" at 12803,11696 h15 r90; PIN_NUMBER "35" at 13215.6,11695 h15 r90; PIN_NUMBER "26" at 13296.3,11409 h15 r90; PIN_NUMBER "3" at 12849.7,11409 h15 r90; PIN_NUMBER "5" at 12889,11409 h15 r90; PIN_NUMBER "7" at 12928.4,11409 h15 r90; PIN_NUMBER "10" at 12981.4,11409 h15 r90; PIN_NUMBER "12" at 13020.8,11409 h15 r90; PIN_NUMBER "14" at 13060.2,11409 h15 r90; PIN_NUMBER "16" at 13099.5,11409 h15 r90; PIN_NUMBER "20" at 13178.2,11409 h15 r90; PIN_NUMBER "28" at 13335,11409 h15 r90; PIN_NUMBER "22" at 13217.6,11409 h15 r90; PIN_NUMBER "24" at 13257,11409 h15 r90; PIN_NUMBER "40" at 13117.2,11695 h15 r90; PIN_NUMBER "48" at 12959.8,11695 h15 r90; PIN_NUMBER "42" at 13077.8,11695 h15 r90; PIN_NUMBER "44" at 13038.5,11695 h15 r90; PIN_NUMBER "46" at 12999.1,11695 h15 r90; PIN_NUMBER "1" at 12809,11408 h15 r90; ASSEMBLY_TOP "X" at 13126,11592 h35; ASSEMBLY_TOP "X" at 13087,11593 h35; ASSEMBLY_TOP "SN74CBTLV16212DGGR" at 13004,11593 h35; SYMB_DIM "dgg56-12X80" at 12879.5,11776 h30
U32: PIN_NUMBER "6" at 15638,11188 h25 r90; PIN_NUMBER "4" at 15699,11187 h25 r90; PIN_NUMBER "9" at 15639,11249 h25 r90; PIN_NUMBER "5" at 15668,11182 h25 r90; PIN_NUMBER "3" at 15697,11207 h25 r90; PIN_NUMBER "2" at 15698,11229 h25 r90; PIN_NUMBER "7" at 15639,11209 h25 r90; PIN_NUMBER "8" at 15638,11227 h25 r90; PIN_NUMBER "10" at 15646,11248 h25 r90; PIN_NUMBER "1" at 15698,11249 h25 r90
U33: PIN_NUMBER "3" at 15322,11207 h25 r90; PIN_NUMBER "4" at 15324,11187 h25 r90; PIN_NUMBER "9" at 15264,11249 h25 r90; PIN_NUMBER "5" at 15293,11182 h25 r90; PIN_NUMBER "6" at 15263,11188 h25 r90; PIN_NUMBER "7" at 15264,11209 h25 r90; PIN_NUMBER "8" at 15263,11227 h25 r90; PIN_NUMBER "1" at 15323,11249 h25 r90; PIN_NUMBER "10" at 15271,11248 h25 r90; PIN_NUMBER "2" at 15323,11229 h25 r90
U34: PIN_NUMBER "8" at 14306.6,11646.4 h20; PIN_NUMBER "15" at 14152,11892.6 h20 r90; PIN_NUMBER "4" at 14204.2,11646.4 h20; PIN_NUMBER "7" at 14281,11646.4 h20; PIN_NUMBER "12" at 14228.8,11892.6 h20 r90; PIN_NUMBER "13" at 14203.2,11892.6 h20 r90; PIN_NUMBER "11" at 14254.4,11892.6 h20 r90; PIN_NUMBER "9" at 14313.6,11892.6 h20 r90; PIN_NUMBER "10" at 14280,11892.6 h20 r90; PIN_NUMBER "3" at 14178.6,11646.4 h20; PIN_NUMBER "16" at 14126.4,11892.6 h20 r90; PIN_NUMBER "5" at 14229.8,11646.4 h20; PIN_NUMBER "6" at 14255.4,11646.4 h20; PIN_NUMBER "14" at 14177.6,11892.6 h20 r90; PIN_NUMBER "2" at 14153,11646.4 h20; PIN_NUMBER "1" at 14127.4,11646.4 h20; ASSEMBLY_TOP "SN74CBTLV3257PWR" at 14192,11795 h40; ASSEMBLY_TOP "X" at 14227,11795 h40; ASSEMBLY_TOP "X" at 14262,11795 h40; SYMB_DIM "PAD 14X70 OV" at 13980,11235 h40; SYMB_DIM "TSSOP16-14X70" at 13950,12225 h40; SYMB_DIM "0" at 14205,11500 h40; SYMB_DIM "0" at 13857,11755 h40
U35: PIN_NUMBER "2" at 14209,12086 h40; PIN_NUMBER "3" at 14234.6,12086 h40; PIN_NUMBER "1" at 14183.4,12086 h40; PIN_NUMBER "5" at 14183.4,12164 h40; PIN_NUMBER "4" at 14234.6,12164 h40; ASSEMBLY_TOP "PART#" at 14108.9,12004.1 h40.2; ASSEMBLY_TOP "TOL" at 14169.1,12210.8 h40.2; ASSEMBLY_TOP "SN74LVC1G32" at 14123.8,12165.9 h40.2; SYMB_DIM "0" at 14310,12110 h29.9; SYMB_DIM "0" at 14210,12234.8 h29.9
U36: PIN_NUMBER "8" at 15406.6,11696.4 h20; PIN_NUMBER "15" at 15252,11942.6 h20 r90; PIN_NUMBER "7" at 15381,11696.4 h20; PIN_NUMBER "9" at 15413.6,11942.6 h20 r90; PIN_NUMBER "12" at 15328.8,11942.6 h20 r90; PIN_NUMBER "4" at 15304.2,11696.4 h20; PIN_NUMBER "3" at 15278.6,11696.4 h20; PIN_NUMBER "14" at 15277.6,11942.6 h20 r90; PIN_NUMBER "10" at 15380,11942.6 h20 r90; PIN_NUMBER "13" at 15303.2,11942.6 h20 r90; PIN_NUMBER "6" at 15355.4,11696.4 h20; PIN_NUMBER "16" at 15226.4,11942.6 h20 r90; PIN_NUMBER "11" at 15354.4,11942.6 h20 r90; PIN_NUMBER "5" at 15329.8,11696.4 h20; PIN_NUMBER "2" at 15253,11696.4 h20; PIN_NUMBER "1" at 15227.4,11696.4 h20; ASSEMBLY_TOP "SN74CBTLV3257PWR" at 15292,11845 h40; ASSEMBLY_TOP "X" at 15327,11845 h40; ASSEMBLY_TOP "X" at 15362,11845 h40; SYMB_DIM "PAD 14X70 OV" at 15080,11285 h40; SYMB_DIM "TSSOP16-14X70" at 15050,12275 h40; SYMB_DIM "0" at 15305,11550 h40; SYMB_DIM "0" at 14957,11805 h40
U37: PIN_NUMBER "1" at 14034.6,12164 h40 r180; PIN_NUMBER "3" at 13983.4,12164 h40 r180; PIN_NUMBER "5" at 14034.6,12086 h40 r180; PIN_NUMBER "4" at 13983.4,12086 h40 r180; PIN_NUMBER "2" at 14009,12164 h40 r180; ASSEMBLY_TOP "PART#" at 14141.1,12245.9 h40.2 r180; ASSEMBLY_TOP "TOL" at 14080.9,12039.2 h40.2 r180; ASSEMBLY_TOP "SN74AHC1G14DCKRG4" at 14126.2,12084.1 h40.2 r180; SYMB_DIM "0" at 13940,12140 h29.9 r180; SYMB_DIM "0" at 14040,12015.2 h29.9 r180
U38: PIN_NUMBER "30" at 12642,14487.8 h10 r180; PIN_NUMBER "4" at 12988,14429.8 h10 r180; PIN_NUMBER "6" at 12988,14469.2 h10 r180; PIN_NUMBER "12" at 12990,14588.2 h10 r180; PIN_NUMBER "32" at 12642,14448.5 h10 r180; PIN_NUMBER "42" at 12803.2,14314 h10 r90; PIN_NUMBER "49" at 12794,14486 h10 r90; PIN_NUMBER "21" at 12771.8,14650 h10 r90; PIN_NUMBER "20" at 12791.5,14650 h10 r90; PIN_NUMBER "15" at 12889.9,14650 h10 r90; PIN_NUMBER "26" at 12642,14566.6 h10 r180; PIN_NUMBER "2" at 12988,14390.4 h10 r180; PIN_NUMBER "1" at 12988,14370.8 h10 r180; PIN_NUMBER "19" at 12811.2,14650 h10 r90; PIN_NUMBER "10" at 12989,14547.9 h10 r180; PIN_NUMBER "35" at 12642,14389.4 h10 r180; PIN_NUMBER "7" at 12988,14488.8 h10 r180; PIN_NUMBER "34" at 12642,14409.1 h10 r180; PIN_NUMBER "9" at 12988,14528.2 h10 r180; PIN_NUMBER "41" at 12783.5,14314 h10 r90; PIN_NUMBER "5" at 12988,14449.5 h10 r180; PIN_NUMBER "37" at 12713.8,14300 h10 r90; PIN_NUMBER "25" at 12642,14586.2 h10 r180; PIN_NUMBER "44" at 12842.5,14314 h10 r90; PIN_NUMBER "40" at 12772.8,14300 h10 r90; PIN_NUMBER "31" at 12642,14468.2 h10 r180; PIN_NUMBER "18" at 12830.8,14650 h10 r90; PIN_NUMBER "36" at 12642,14369.8 h10 r180; PIN_NUMBER "47" at 12901.6,14314 h10 r90; PIN_NUMBER "43" at 12822.8,14314 h10 r90; PIN_NUMBER "16" at 12870.2,14650 h10 r90; PIN_NUMBER "17" at 12850.5,14650 h10 r90; PIN_NUMBER "24" at 12712.8,14650 h10 r90; PIN_NUMBER "29" at 12642,14507.5 h10 r180; PIN_NUMBER "8" at 12988,14508.5 h10 r180; PIN_NUMBER "39" at 12753.1,14300 h10 r90; PIN_NUMBER "38" at 12733.4,14300 h10 r90; PIN_NUMBER "48" at 12921.2,14314 h10 r90; PIN_NUMBER "11" at 12990,14568.6 h10 r180; PIN_NUMBER "14" at 12909.6,14650 h10 r90; PIN_NUMBER "33" at 12642,14428.8 h10 r180; PIN_NUMBER "3" at 12988,14410.1 h10 r180; PIN_NUMBER "23" at 12732.4,14650 h10 r90; PIN_NUMBER "22" at 12752.1,14650 h10 r90; PIN_NUMBER "28" at 12642,14527.2 h10 r180; PIN_NUMBER "27" at 12642,14546.9 h10 r180; PIN_NUMBER "13" at 12929.2,14650 h10 r90; PIN_NUMBER "46" at 12881.9,14314 h10 r90; PIN_NUMBER "45" at 12862.2,14314 h10 r90
U39: PIN_NUMBER "2" at 12176.5,14200 h40 r270; PIN_NUMBER "4" at 12341.5,14400 h40 r270; PIN_NUMBER "1" at 12176.5,14400 h40 r270; PIN_NUMBER "3" at 12341.5,14200 h40 r270; SYMB_DIM "0" at 12030,14320 h40 r270; SYMB_DIM "0" at 12255,14620 h40 r270
U40: PIN_NUMBER "7" at 12409,15035 h40; PIN_NUMBER "4" at 12309,14815 h40; PIN_NUMBER "8" at 12459,15035 h40; PIN_NUMBER "6" at 12359,15035 h40; PIN_NUMBER "3" at 12359,14815 h40; PIN_NUMBER "1" at 12459,14815 h40; PIN_NUMBER "5" at 12309,15035 h40; PIN_NUMBER "2" at 12409,14815 h40; SYMB_DIM "PAD 25X75OV" at 12625,14575 h40; SYMB_DIM "SM  33X83OV" at 12625,14500 h40; SYMB_DIM "SP  25X75OV" at 12625,14425 h40; SYMB_DIM "SO8-25X75" at 12640,15395 h40; SYMB_DIM "0" at 12420,14655 h40; SYMB_DIM "0" at 12645,14905 h40; ASSEMBLY_BOTTOM "TPA4861D" at 12525,14885 h40; ASSEMBLY_BOTTOM "X" at 12485,14885 h40; ASSEMBLY_BOTTOM "X" at 12445,14885 h40